# KiCad board Kanagawa_rgb_iso_pico.kicad_pcb (continued)
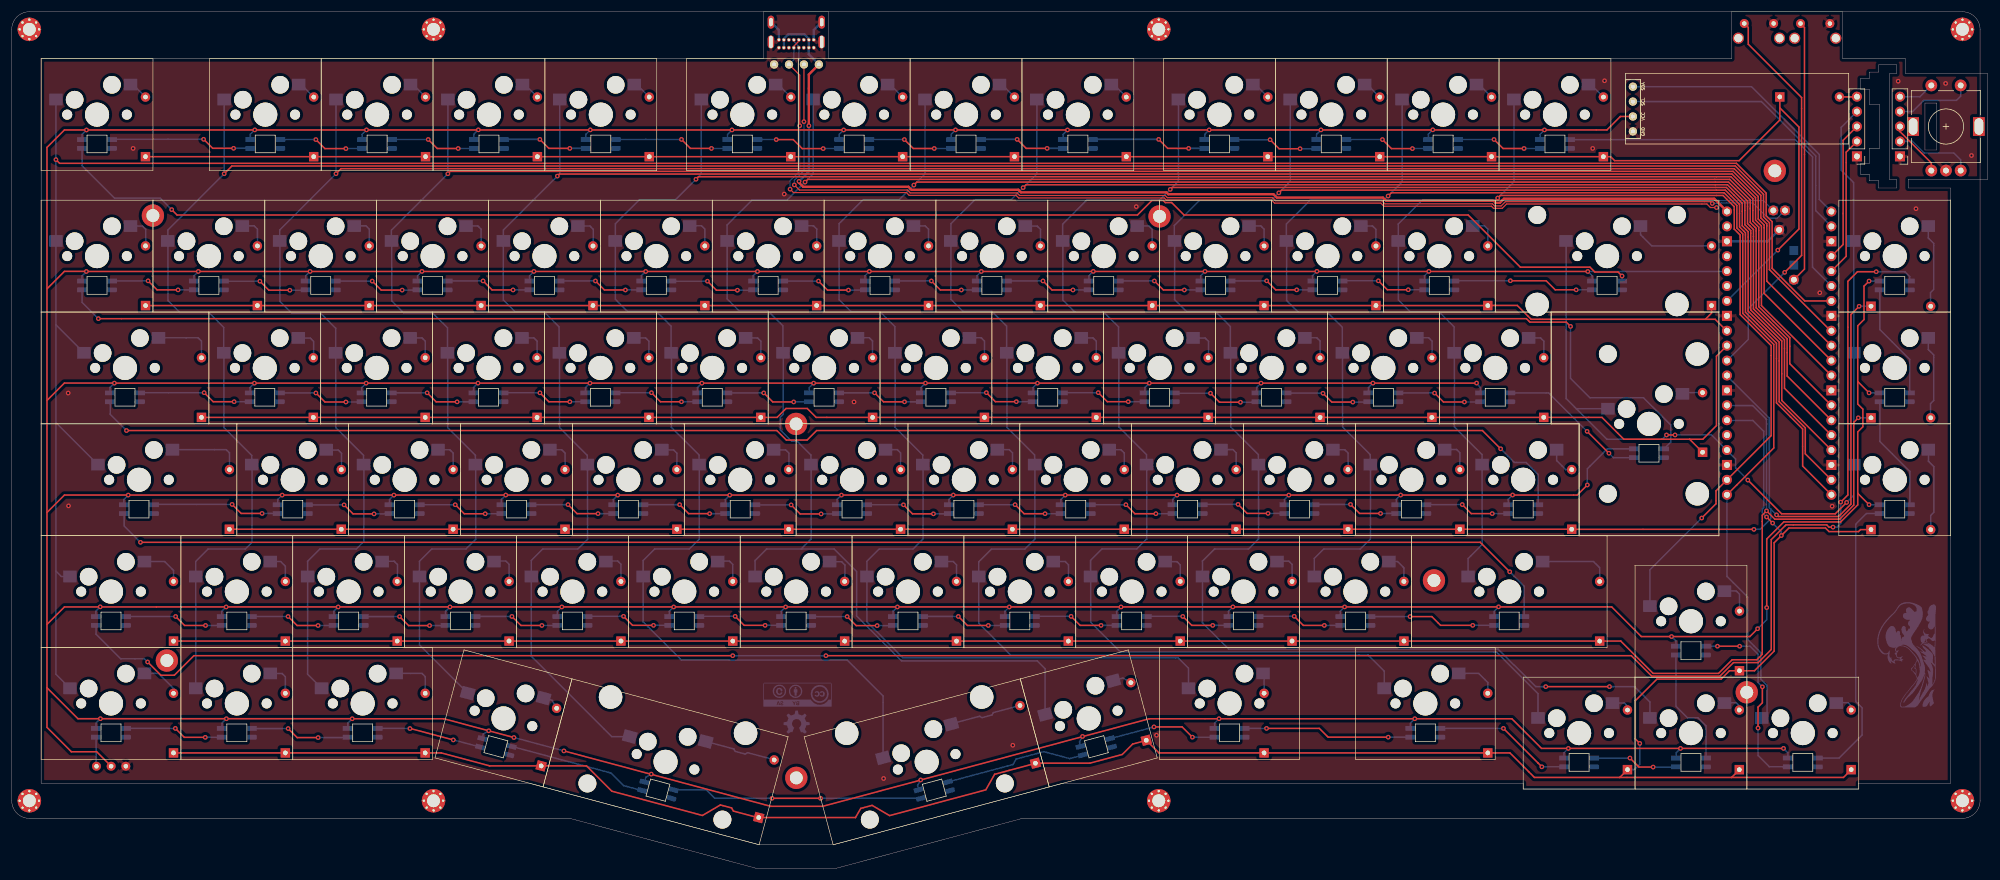
[diagram p0: board, top side]
## Routing (per net, layer and track width the routed paths; a pad name or vN(x,y) marks a point on that pad's centre or on a via; arc(x,y) is an arc through that point) (continued)
col07: length 365.4
  Top w0.254: v1(153.64,116.38) 154.14,116.88 292.39,116.88 295.62,113.65 295.62,109.82 296.63,108.81 296.63,95.29 301.91,90 301.91,81.77 U0.16
  Bottom w0.254: 155.2,68.73 155.2,56.08 153.5,54.38 147.73,54.38 145.64,52.29 KE7.1 ; 140.91,106.88 140.91,109.8 144.99,113.88 151.15,113.88 v1(153.64,116.38) 155.54,118.28 ; 145.64,49.7 145.64,41.97 151.77,35.84 198.65,35.84 200.41,34.08 KF7.1 ; KD7.1 155.16,70.38 150.45,75.09 150.45,87.74 ; 155.54,118.27 155.54,130.92 ; 150.4,87.85 150.4,92.27 147.86,94.81 142.94,94.81 140.91,96.84 140.91,106.89
col08: length 362.8
  Top w0.254: U0.17 301.46,79.68 301.46,89.81 296.17,95.1 296.17,108.62 295.17,109.63 295.17,113.46 292.21,116.42 172.73,116.42 v1(172.25,115.94)
  Bottom w0.254: 159.96,106.88 159.96,109.8 164.04,113.88 170.19,113.88 v1(172.25,115.94) 174.59,118.28 ; KF8.1 233.74,33.58 231,36.32 170.11,36.32 164.69,41.74 164.69,49.71 ; 159.95,106.97 159.95,96.91 161.98,94.88 166.9,94.88 169.44,92.34 169.44,87.93 ; 169.5,87.74 169.5,75.09 174.21,70.38 KD8.1 ; 174.25,68.73 174.25,56.08 172.53,54.37 166.85,54.37 164.69,52.21 KE8.1 ; 174.59,118.27 174.59,130.92
col09: length 358.1
  Top w0.254: U0.19 305.46,70.6 305.46,75.02 301,79.48 301,89.62 295.72,94.91 295.72,108.44 294.71,109.44 294.71,113.27 292.02,115.97 197.63,115.97 v1(197.31,115.64)
  Bottom w0.254: 198.7,130.93 198.7,117.04 v1(197.31,115.64) 195.47,113.8 183.06,113.8 178.98,109.72 178.98,106.8 ; KF9.1 259.94,29.75 252.85,36.84 188.81,36.84 183.75,41.9 183.75,49.71 ; KE9.1 183.74,52.45 185.69,54.4 191.6,54.4 193.3,56.09 193.3,68.74 ; 179.01,106.84 179.01,96.78 181.04,94.75 185.96,94.75 188.5,92.21 188.5,87.8 ; KD9.1 193.26,70.46 188.55,75.17 188.55,87.82
col10: length 340.7
  Top w0.254: U0.20 305.01,68.51 305.01,74.82 300.55,79.28 300.55,89.43 295.27,94.71 295.27,108.25 294.26,109.25 294.26,113.08 291.83,115.51 216.26,115.51 v1(215.8,115.05) ; v1(261.26,30.94) v1(272.11,30.94)
  Bottom w0.254: v1(272.11,30.94) 276.37,30.94 278.99,28.32 278.99,25.62 ; v1(261.26,30.94) 259.56,30.94 254.58,35.88 253.12,37.34 207.26,37.34 202.79,41.81 KE10.1 202.79,52.33 204.84,54.38 210.63,54.38 212.35,56.09 212.35,68.74 ; KD10.1 212.31,70.46 207.6,75.17 207.6,87.82 ; 198,106.78 198,109.49 202.26,113.75 214.5,113.75 v1(215.8,115.05) 217.75,117 217.75,130.93 ; 198.05,106.91 198.05,96.86 200.08,94.83 205,94.83 207.54,92.29 207.54,87.87
col11: length 270.1
  Top w0.254: v1(234.41,114.51) 234.96,115.06 291.63,115.06 293.81,112.88 293.81,109.06 294.81,108.06 294.81,94.53 300.1,89.24 300.1,71.6 U0.21
  Bottom w0.254: 226.65,87.82 226.65,75.17 231.36,70.46 KD11.1 ; 217.12,106.77 217.12,96.72 219.15,94.69 224.07,94.69 226.61,92.15 226.61,87.73 ; KE11.1 221.84,52.78 223.44,54.38 229.69,54.38 231.4,56.09 231.4,68.74 ; KF11.1 298.95,26.52 298.95,31.14 297.89,32.2 297.89,36.72 295.65,38.96 295.65,46.18 292.12,49.71 292.12,63.63 ; 236.8,130.93 236.8,116.9 v1(234.41,114.51) 233.71,113.81 221.16,113.81 217.08,109.73 217.08,106.81
col12: length 227
  Top w0.254: 292.11,66.16 299.64,73.69 299.64,89.04 294.36,94.32 294.36,107.87 293.35,108.88 293.35,112.7 291.44,114.6 253.51,114.6 v1(253.07,114.16) ; U0.22 290.25,64.29 290.25,62.09 v1(287.82,59.66)
  Bottom w0.254: 278.99,44.64 278.99,50.83 v1(287.82,59.66) ; KC12.1 245.65,92.22 243.11,94.76 238.19,94.76 236.16,96.79 236.16,106.84 ; 250.42,68.77 250.42,55.14 248.03,52.75 KE12.1 ; 255.85,130.93 255.85,116.94 v1(253.07,114.16) 252.72,113.81 240.21,113.81 236.13,109.73 236.13,106.81 ; 245.7,87.82 245.7,75.17 250.41,70.46 KD12.1
col13: length 159.4
  Top w0.254: v1(281.82,73.81) 283.27,73.81 v1(283.28,73.81) ; v1(312.5,62.32) 310.56,60.37 301.43,60.37 v1(295.68,66.12)
  Bottom w0.254: 292.1,71.2 293.58,69.72 293.58,68.22 v1(295.68,66.12) ; 292.1,71.2 289.49,73.81 v1(283.28,73.81) ; 313.69,106.85 313.69,116.8 311.57,118.92 311.57,126.2 J3.4 ; 266.46,78.28 271.84,78.28 ; 266.46,78.28 264.73,80.01 264.73,106.78 ; 266.46,78.28 271.66,73.08 281.11,73.08 281.82,73.79 v1(281.82,73.81) ; v1(312.5,62.32) 313.7,63.52 KF13.1 ; KD13.1 313.7,68.75
D+: length 200.4
  Top w0.2: v1(290.34,112.54) 290.33,112.55 289.3,112.55 288.7,113.15 254.58,113.15 253.84,112.41 252.37,112.41 252.01,112.77 233.69,112.77 233.16,113.3 215.08,113.3 214.56,113.82 196.64,113.82 196.28,114.18 171.49,114.18 171.05,114.62 152.85,114.62 152.37,115.1 133.14,115.1 v1(132.56,115.68) ; 134.05,140.89 133.19,140.03 ; v1(134.2,126.49) 134.2,135.1 JUSB2.2
  Bottom w0.2: 302.01,112.06 300.68,110.73 299.12,110.73 296.52,113.33 291.13,113.33 v1(290.34,112.54) ; JUSB1.A6 133.19,137.73 JUSB2.2 ; v1(134.2,126.49) 134.2,118.73 132.56,117.09 v1(132.56,115.68)
D-: length 195.2
  Top w0.2: v1(133.28,116.4) 134.15,115.53 152.53,115.53 153.02,115.04 171.21,115.04 171.65,114.6 196.44,114.6 196.81,114.23 214.72,114.23 215.24,113.71 233.33,113.71 233.86,113.18 252.17,113.18 252.53,112.82 253.66,112.82 254.39,113.55 289.32,113.55 v1(289.62,113.25) ; JUSB2.3 v1(134.92,127.18)
  Bottom w0.2: 134.06,140 133.2,140.85 ; v1(289.62,113.25) 290.41,113.25 290.9,113.74 298.32,113.74 U0.TP2 ; v1(134.92,127.18) 134.92,118.84 133.28,117.2 v1(133.28,116.4) ; JUSB2.3 134.04,137.79 134.04,139.77
ENCA: length 23.9
  Top w0.254: J3.3 311.9,123.99 311.9,106.25 309.91,104.26
ENCB: length 23.9
  Top w0.254: J3.2 312.42,121.97 312.42,104.24 U0.5
RESET: length 66.8
  Top w0.254: v1(301.95,101.51) 304.83,104.39 304.83,131.28 295.75,140.36 295.75,143.22 RSW0.1
  Bottom w0.254: v1(301.95,101.51) 295.75,95.31 295.75,90.09 292.1,86.44
RGB_Matrix: length 65.9
  Bottom w0.254: 265.35,124.12 303.75,124.12 306.7,121.17 306.7,102.38 U0.6
RGB_Out: length 4.9
  Bottom w0.254: KF0.4 14.36,17.43
row00: length 324.7
  Top w0.254: v1(300.78,105.3) 304.38,108.9 304.38,126.26 301.12,129.52 ; DA12.1 272.31,121.21 272.99,120.53 294.19,120.53 301.12,127.46 301.12,129.52 ; DA0.1 271.08,121.21 ; 301.12,129.52 301.12,131.4
  Bottom w0.254: U0.34 v1(300.78,105.3)
row01: length 273.9
  Top w0.254: DB0.1 251.39,95.85 ; 292.1,91.52 290.11,93.51 288.44,93.51 ; 288.44,93.51 289.49,94.56 289.49,95.85 ; 288.44,93.51 258.77,93.51 256.41,95.87 251.38,95.87
row02: length 279.3
  Top w0.254: DC12.1 270.83,76.8 274.55,73.08 285.75,73.08 ; 285.75,73.08 288.01,73.08 290.33,75.4 290.33,87.23 U0.31 ; 285.75,73.08 287.96,70.87 ; DC0.1 130.35,76.8 131.87,78.32 135.48,78.32 137,76.8 260.91,76.8
row03: length 342.1
  Top w0.254: 265.68,57.73 v1(296.71,57.73) ; DD11.1 265.69,57.75 ; v1(300.56,60.19) 300.84,59.92 311.13,59.92 313.23,62.02 313.23,94.33 v1(314.63,95.73) ; DD0.1 246.63,57.75
  Bottom w0.254: 292.1,83.9 299.34,76.66 299.34,61.42 v1(300.56,60.19) ; DD13.1 314.64,95.74 v1(314.63,95.73) ; 299.59,61.17 299.59,59.54 297.78,57.73 v1(296.71,57.73)
row04: length 356
  Top w0.254: DE0.1 DE1.1 274.03,38.7 279.54,33.19 290.68,33.19 293.01,35.52 297.2,35.52 298.13,36.45 298.13,59.08 298.13,59.08 298.13,60.14 v1(298.86,60.87) 300.26,59.47 311.32,59.47 313.71,61.86 313.71,75.95 v1(314.49,76.73)
  Bottom w0.254: DE13.1 314.49,76.73 v1(314.49,76.73) ; v1(298.86,60.87) 298.86,76.44 296.48,78.82 292.1,78.82
row05: length 404.4
  Top w0.254: 117.63,8.99 120.68,10.79 122.6,10.27 ; DF0.1 70.42,19.65 ; 273.85,15.47 259.33,15.47 255.15,19.65 DF8.1 195.38,19.65 DF6.1 ; 273.85,15.47 292.9,15.47 ; 273.85,15.47 273.86,15.47 275.19,16.8 ; DF13.1 314.86,57.69 314.53,57.35 309.5,57.35 308.89,57.96 302.67,57.96 301.7,57 301.7,56.99 v1(301.38,56.67) 300.15,55.44 300.15,36.99 296.81,33.65 DF12.1 292.55,33.65 291.12,32.22 280.19,32.22 276.51,28.54 276.51,22.03 v1(277.27,21.27) ; 127.2,8.59 122.91,9.74 ; 146.54,10.7 149.5,8.97 ; 167.4,16.02 165.91,13.38 ; 190.9,21.15 193.23,21.78 ; v1(298.86,59.84) v1(299.9,58.8) ; 292.9,15.47 292.91,15.47 294.24,16.8 ; 292.9,15.47 311.96,15.47 313.3,16.81 ; 174.36,17.87 169.83,16.66 ; DF2.1 73.15,19.65 73.16,19.65 81.38,17.44 81.39,17.44 DF3.1 97.89,17.44 102.2,13.12 117.59,9 ; 189.1,19.37 183.6,17.9 DF5.1 ; 167.38,16 169.87,16.67 ; 122.6,10.27 122.89,9.76 ; DF4.1 143.69,8.64 143.69,8.65 144.6,10.2 146.52,10.71 ; 189.13,19.38 190.91,21.15 ; 165.89,13.36 149.52,8.97
  Bottom w0.254: v1(299.9,58.8) 301.38,57.32 v1(301.38,56.67) ; DF9.1 276.32,16.8 277.27,17.75 v1(277.27,21.27) ; 292.1,76.28 296.53,76.28 298.38,74.43 298.38,61.44 298.13,61.19 298.13,60.57 v1(298.86,59.84)
SCL: length 48.1
  Bottom w0.254: 309.91,109.35 307.24,112.02 307.24,121.34 297.98,130.6 276.08,130.6
SDA: length 47.1
  Bottom w0.254: 276.04,133.13 296.31,133.13 307.85,121.59 307.85,113.93 U0.1
Net-(DA0-Pad2): length 3.4
  Bottom w0.254: 20.22,133.5 20.65,133.5 DA0.2
Net-(DA1-Pad2): length 3.4
  Bottom w0.254: 48.87,133.51 49.29,133.51 DA1.2
Net-(DA2-Pad2): length 3.4
  Bottom w0.254: 67.92,133.5 68.35,133.5 DA2.2
Net-(DA3-Pad2): length 3.4
  Bottom w0.254: 86.97,133.5 87.4,133.5 DA3.2
Net-(DA4-Pad2): length 3.5
  Bottom w0.254: DA4.2 106.44,133.51 106.01,133.51
Net-(DA5-Pad2): length 3.4
  Bottom w0.254: 130.12,133.5 130.55,133.5 DA5.2
Net-(DA6-Pad2): length 3.4
  Bottom w0.254: 149.17,133.49 149.61,133.49 DA6.2
Net-(DA7-Pad2): length 3.4
  Bottom w0.254: 168.22,133.5 168.65,133.5 DA7.2
Net-(DA8-Pad2): length 3.4
  Bottom w0.254: 187.27,133.5 187.7,133.5 DA8.2
Net-(DA9-Pad2): length 3.4
  Bottom w0.254: DA9.2 211.81,133.49 211.38,133.49
Net-(DA10-Pad2): length 3.4
  Bottom w0.254: DA10.2 230.85,133.5 230.43,133.5
Net-(DA11-Pad2): length 3.4
  Bottom w0.254: 249.47,133.5 249.9,133.5 DA11.2
Net-(DA12-Pad2): length 3.4
  Bottom w0.254: 268.53,133.5 268.95,133.5 DA12.2
Net-(DB0-Pad2): length 5.6
  Bottom w0.254: 22.83,106 22.83,108.83 22.27,109.39 20.27,109.39
Net-(DB1-Pad2): length 5.6
  Bottom w0.254: 41.84,106.04 41.84,108.87 41.28,109.43 39.28,109.43
Net-(DB2-Pad2): length 5.6
  Bottom w0.254: 60.9,106.04 60.9,108.87 60.34,109.43 58.34,109.43
Net-(DB3-Pad2): length 5.6
  Bottom w0.254: 79.94,106.02 79.94,108.85 79.38,109.41 77.38,109.41
Net-(DB4-Pad2): length 5.6
  Bottom w0.254: 96.47,109.4 98.47,109.4 99.03,108.84 99.03,106.01
Net-(DB5-Pad2): length 5.6
  Bottom w0.254: 118.04,106.05 118.04,108.88 117.48,109.44 115.48,109.44
Net-(DB6-Pad2): length 5.6
  Bottom w0.254: 137.1,106.05 137.1,108.88 136.54,109.44 134.54,109.44
Net-(DB7-Pad2): length 5.6
  Bottom w0.254: 156.14,106.03 156.14,108.86 155.58,109.42 153.58,109.42
Net-(DB8-Pad2): length 5.6
  Bottom w0.254: 172.66,109.38 174.66,109.38 175.22,108.82 175.22,105.99
Net-(DB9-Pad2): length 5.6
  Bottom w0.254: 194.23,106.03 194.23,108.86 193.67,109.42 191.67,109.42
Net-(DB10-Pad2): length 5.6
  Bottom w0.254: 213.29,106.03 213.29,108.86 212.73,109.42 210.73,109.42
Net-(DB11-Pad2): length 5.6
  Bottom w0.254: 229.77,109.4 231.77,109.4 232.33,108.84 232.33,106.01
Net-(DB12-Pad2): length 5.6
  Bottom w0.254: 248.83,109.42 250.83,109.42 251.39,108.86 251.39,106.03
Net-(DB13-Pad2): length 14.3
  Bottom w0.254: KB13.2 277.4,107.93 279.31,106.02 289.49,106.02
Net-(DC0-Pad2): length 10.4
  Bottom w0.254: 24.99,90.36 31.75,90.36 32.31,89.8 32.31,86.97
Net-(DC1-Pad2): length 5.6
  Bottom w0.254: 48.85,90.31 50.85,90.31 51.41,89.75 51.41,86.92
Net-(DC2-Pad2): length 5.6
  Bottom w0.254: 70.42,86.96 70.42,89.79 69.86,90.35 67.86,90.35
Net-(DC3-Pad2): length 5.6
  Bottom w0.254: 89.48,86.96 89.48,89.79 88.92,90.35 86.92,90.35
Net-(DC4-Pad2): length 5.6
  Bottom w0.254: 108.52,86.94 108.52,89.77 107.96,90.33 105.96,90.33
Net-(DC5-Pad2): length 5.6
  Bottom w0.254: 125.03,90.33 127.03,90.33 127.59,89.77 127.59,86.94
Net-(DC6-Pad2): length 5.6
  Bottom w0.254: 146.6,86.98 146.6,89.81 146.04,90.37 144.04,90.37
Net-(DC7-Pad2): length 5.6
  Bottom w0.254: 165.66,86.98 165.66,89.81 165.1,90.37 163.1,90.37
Net-(DC8-Pad2): length 5.6
  Bottom w0.254: 182.14,90.35 184.14,90.35 184.7,89.79 184.7,86.96
Net-(DC9-Pad2): length 5.6
  Bottom w0.254: 203.82,86.93 203.82,89.76 203.26,90.32 201.26,90.32
Net-(DC10-Pad2): length 5.6
  Bottom w0.254: 220.27,90.36 222.27,90.36 222.83,89.8 222.83,86.97
Net-(DC11-Pad2): length 5.6
  Bottom w0.254: 241.89,86.97 241.89,89.8 241.33,90.36 239.33,90.36
Net-(DC12-Pad2): length 5.6
  Bottom w0.254: 260.93,86.95 260.93,89.78 260.37,90.34 258.37,90.34
Net-(DC13-Pad2): length 3.5
  Bottom w0.254: DC13.2 284.74,81.02 284.54,80.82
Net-(DD0-Pad2): length 12.8
  Bottom w0.254: 27.37,71.31 36.52,71.31 37.08,70.75 37.08,67.92
Net-(DD1-Pad2): length 5.6
  Bottom w0.254: 56.17,67.85 56.17,70.68 55.61,71.24 53.61,71.24
Net-(DD2-Pad2): length 5.6
  Bottom w0.254: 75.18,67.89 75.18,70.72 74.62,71.28 72.62,71.28
Net-(DD3-Pad2): length 5.6
  Bottom w0.254: 91.68,71.28 93.68,71.28 94.24,70.72 94.24,67.89
Net-(DD4-Pad2): length 5.6
  Bottom w0.254: 113.28,67.87 113.28,70.7 112.72,71.26 110.72,71.26
Net-(DD5-Pad2): length 5.6
  Bottom w0.254: 129.81,71.27 131.81,71.27 132.37,70.71 132.37,67.88
Net-(DD6-Pad2): length 5.6
  Bottom w0.254: 151.38,67.92 151.38,70.75 150.82,71.31 148.82,71.31
Net-(DD7-Pad2): length 5.6
  Bottom w0.254: 167.88,71.31 169.88,71.31 170.44,70.75 170.44,67.92
Net-(DD8-Pad2): length 5.6
  Bottom w0.254: 186.92,71.29 188.92,71.29 189.48,70.73 189.48,67.9
Net-(DD9-Pad2): length 5.6
  Bottom w0.254: 205.97,71.32 207.97,71.32 208.53,70.76 208.53,67.93
Net-(DD10-Pad2): length 5.6
  Bottom w0.254: 225.03,71.29 227.03,71.29 227.59,70.73 227.59,67.9
Net-(DD11-Pad2): length 5.6
  Bottom w0.254: 244.07,71.33 246.07,71.33 246.63,70.77 246.63,67.94
Net-(DD12-Pad2): length 5.1
  Bottom w0.254: 265.68,67.91 264.65,67.91 263.11,69.45 263.11,71.29
Net-(DD13-Pad2): length 14.3
  Bottom w0.254: 326.41,109.4 326.41,107.36 327.33,106.44 327.33,98.64 ; 326.79,95.66 326.79,98.07 327.33,98.61
Net-(DE0-Pad2): length 7.4
  Bottom w0.254: KE0.2 26.05,52.24 27.55,50.74 DE0.2
Net-(DE1-Pad2): length 5.5
  Bottom w0.254: 44.04,52.25 45.81,52.25 46.6,51.46 DE1.2
Net-(DE2-Pad2): length 5.6
  Bottom w0.254: 63.13,52.3 65.13,52.3 65.69,51.74 65.69,48.91
Net-(DE3-Pad2): length 5.6
  Bottom w0.254: 82.14,52.34 84.14,52.34 84.7,51.78 84.7,48.95
Net-(DE4-Pad2): length 5.6
  Bottom w0.254: 103.76,48.95 103.76,51.78 103.2,52.34 101.2,52.34
Net-(DE5-Pad2): length 5.6
  Bottom w0.254: 122.8,48.93 122.8,51.76 122.24,52.32 120.24,52.32
Net-(DE6-Pad2): length 5.6
  Bottom w0.254: 141.9,48.82 141.9,51.65 141.34,52.21 139.34,52.21
Net-(DE7-Pad2): length 5.6
  Bottom w0.254: 158.35,52.25 160.35,52.25 160.91,51.69 160.91,48.86
Net-(DE8-Pad2): length 5.6
  Bottom w0.254: 179.97,48.86 179.97,51.69 179.41,52.25 177.41,52.25
Net-(DE9-Pad2): length 5.6
  Bottom w0.254: 196.45,52.23 198.45,52.23 199.01,51.67 199.01,48.84
Net-(DE10-Pad2): length 5.6
  Bottom w0.254: 215.5,52.31 217.5,52.31 218.06,51.75 218.06,48.92
Net-(DE11-Pad2): length 5.3
  Bottom w0.254: DE11.2 237.1,51.17 236.02,52.24 KE11.2
Net-(DE12-Pad2): length 12.5
  Bottom w0.254: 270.44,48.86 270.44,51.2 269.39,52.24 KE12.2
Net-(DE13-Pad2): length 14.3
  Bottom w0.254: 326.41,90.4 326.41,88.36 327.33,87.44 327.33,79.67 ; 327.33,79.68 326.79,79.14 326.79,76.73 ; 326.4,90.35 326.4,90.35
Net-(DF0-Pad2): length 6.8
  Bottom w0.254: 27.55,29.8 27.55,30.64 24.99,33.2 22.61,33.2
Net-(DF1-Pad2): length 5.6
  Bottom w0.254: 46.6,29.78 46.6,32.61 46.04,33.17 44.04,33.17
Net-(DF2-Pad2): length 8
  Bottom w0.254: 65.47,33.2 69.86,33.2 70.42,32.64 70.42,29.81
Net-(DF3-Pad2): length 3.5
  Bottom w0.254: 92.05,28.6 93.05,26.87 ; 92.02,28.61 90.56,29
Net-(DF4-Pad2): length 12.1
  Bottom w0.254: 124.92,19.45 123.22,19.91 122.98,20.32 118.12,21.62 ; 125.32,19.69 124.9,19.45 ; 129.3,18.63 125.31,19.69 ; 129.41,18.44 129.31,18.62
Net-(DF5-Pad2): length 11.9
  Bottom w0.254: 159.97,24.59 164.83,25.89 165.25,25.65 166.95,26.11 ; 171.16,27.58 167.18,26.52 ; 167.18,26.52 166.94,26.1
Net-(DF6-Pad2): length 3.7
  Bottom w0.254: 189.25,32.4 190.98,31.4 ; 189.22,32.4 187.61,31.97
Net-(DF7-Pad2): length 2.8
  Bottom w0.254: 213.29,29.82 213.29,32.65
Net-(DF8-Pad2): length 7.4
  Bottom w0.254: KF8.2 249.83,33.19 251.39,31.64 251.39,29.81
Net-(DF9-Pad2): length 3.4
  Bottom w0.254: 272.65,28.15 274.65,28.15 275.19,27.61 275.19,26.96
Net-(DF10-Pad2): length 3.5
  Bottom w0.254: 294.24,26.96 294.24,27.65 293.7,28.19 291.7,28.19
Net-(DF11-Pad2): length 3.5
  Bottom w0.254: 313.3,26.96 313.3,27.65 312.74,28.21 310.74,28.21
Net-(DF12-Pad2): length 5.6
  Bottom w0.254: 291.69,47.24 293.69,47.24 294.25,46.68 294.25,43.85
Net-(DF13-Pad2): length 14.3
  Bottom w0.254: DF13.2 326.81,60.09 327.35,60.63 327.35,68.42 326.43,69.34 326.43,71.38 ; 326.38,71.31 326.39,71.3

## Copper pours and planes (outline as drawn; the poured copper is in the pictures)
GND on Top: 342.19,-1.39 -2.34,-2.37 -1.87,148.9 341.77,149.25
GND on Bottom: 342.14,-1.45 -2.39,-2.43 -1.92,148.84 341.72,149.19

## Text on the board
B.Silkscreen: GND | D+ | D- | +5V | RGB matrix / Output | VCC | JLCJLCJLCJLC | UP ▲ | Kanagawa - rev 2.0 by Ciaanh
